# KiCad board MB1635_good_conversion.kicad_pcb (continued)
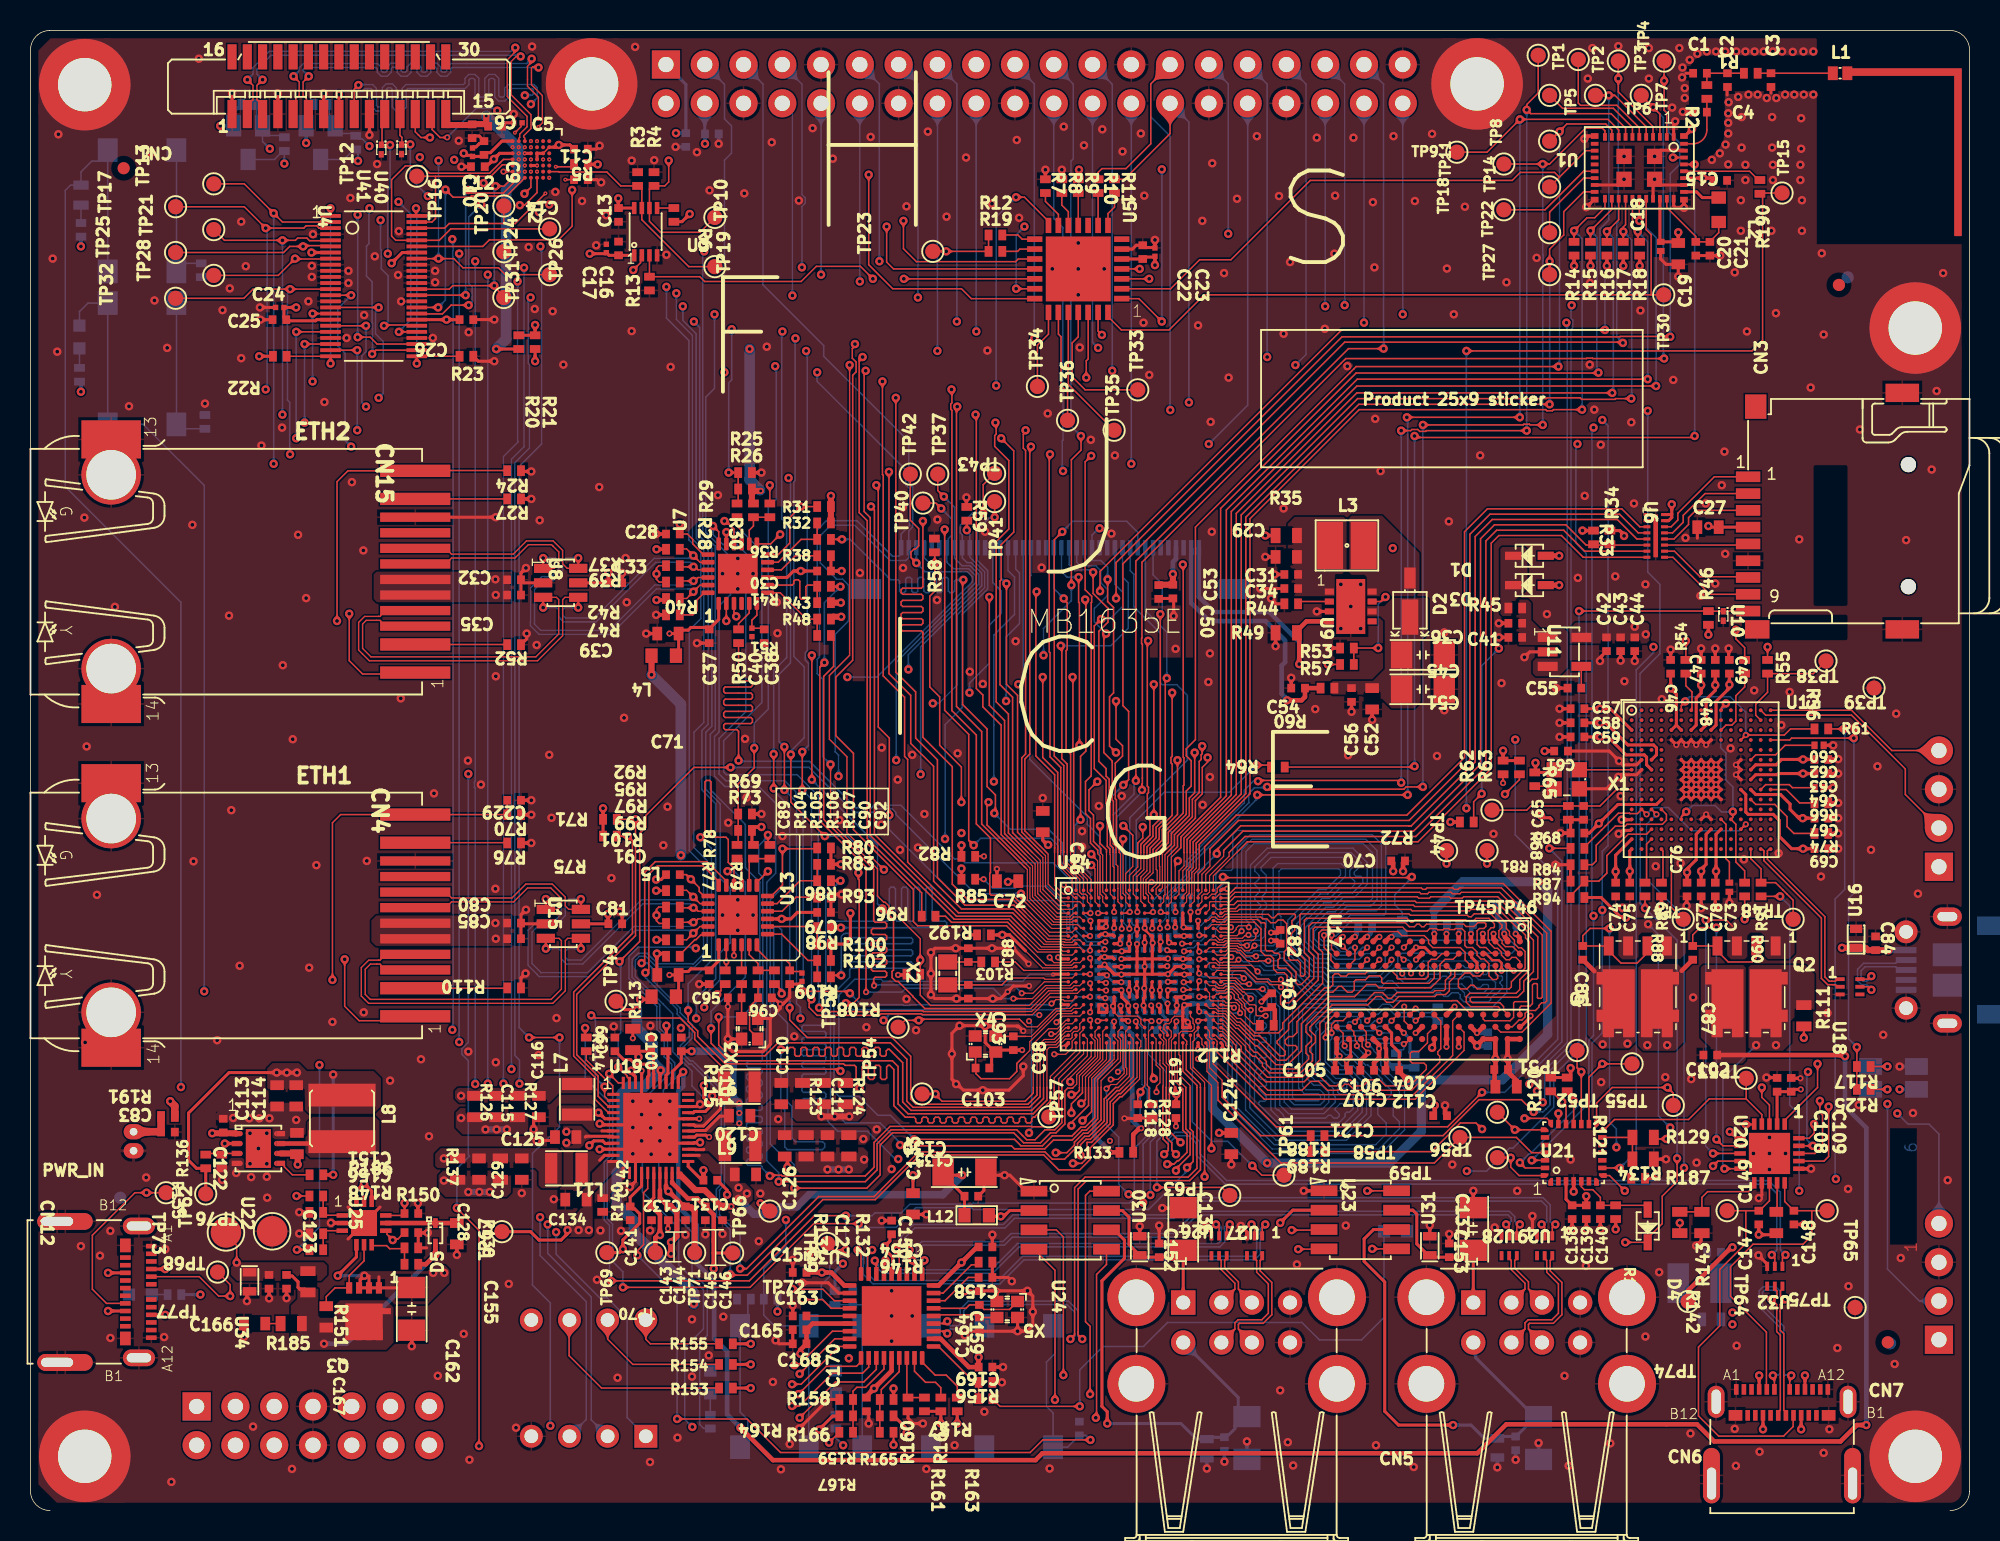
[diagram p0: board, top side]
## Routing (per net, layer and track width the routed paths; a pad name or vN(x,y) marks a point on that pad's centre or on a via; arc(x,y) is an arc through that point) (continued)
DDR_A9: length 29.5
  Top Layer w0.075: U14.G21 78,37.67 79.02,37.67 v2(79.33,37.98)
  Top Layer w0.09: 86.34,35.69 86.75,36.1 v2(86.75,36.9)
  Bottom Layer w0.09: v2(86.75,36.9) 86.42,36.9 86.15,36.63 85.81,36.63 85.4,37.04 84.52,37.04 84.09,37.47 84.09,37.96 85.08,38.95 85.57,38.95 86.21,39.6 87.78,39.6 88.2,40.01 88.2,43.26 87.46,43.99 80,43.99 79.33,43.31 v2(79.33,37.98)
DDR_A10: length 31.5
  Top Layer w0.09: v2(89.14,32.09) 89.54,32.49
  Top Layer w0.1: v2(76.55,35.2) 76.55,35.28 76.47,35.36 U14.L18
  Bottom Layer w0.09: v2(89.14,32.09) 88.79,31.74 88.29,31.74 88,31.45 85.58,31.45 85.38,31.65 84.98,31.65 84.48,31.14 84.48,29.33 85.5,28.31 86.24,28.31 86.64,27.91 86.64,26.36 86.39,26.11 86.21,26.11 86.1,26 86.1,25.82 85.71,25.43 82.08,25.43 81.25,26.26 81.25,28.48 81.15,28.58 81.15,28.73 81.25,28.83 81.25,30.12 81.03,30.34 81.03,30.41 81.25,30.62 81.25,31.13 81.1,31.28 81.1,31.37 81.25,31.52 81.25,32.73 81,32.98 81,33.47 80.77,33.7 80.68,33.7 80.22,34.16 79,34.16 78.89,34.27 78.44,34.27 77.73,34.98 76.77,34.98 v2(76.55,35.2)
DDR_A11: length 31.2
  Top Layer w0.09: v2(75.53,34.63) 75.54,34.64 75.96,34.64 U14.N17 ; 86.35,32.5 86.35,32.48 85.97,32.1 85.47,32.1 85.21,31.84 85.21,31.31 v2(85.23,31.3)
  Bottom Layer w0.09: v2(75.53,34.63) 75.98,34.17 76.87,34.17 76.95,34.25 76.95,34.55 77.05,34.65 77.53,34.65 77.63,34.55 77.63,34.05 77.7,33.98 78.68,33.98 78.85,33.8 78.85,33.55 78.93,33.48 79.23,33.48 79.65,33.9 80.06,33.9 80.27,33.69 80.27,32.47 80.17,32.37 80.17,31.93 80.25,31.85 80.25,31.4 80.17,31.32 80.17,30.32 80.26,30.23 80.26,29.79 80.17,29.71 80.17,29.18 80.33,29.02 80.33,28.92 80.17,28.76 80.17,26.5 81.82,24.85 85.95,24.85 87.22,26.12 87.22,28.15 86.48,28.89 85.74,28.89 85.1,29.53 85.1,30.78 85.23,30.91 v2(85.23,31.3)
DDR_A12: length 31.3
  Top Layer w0.075: 76.98,35.15 77.22,34.9 78.96,34.9 79.33,34.53 79.8,34.53 v2(79.83,34.5)
  Top Layer w0.1: v2(87.55,32.1) 87.95,32.5
  Bottom Layer w0.09: 80.24,34.97 79.53,35.68 78.74,35.68 78.41,35.35 78.41,34.83 78.68,34.56 79.01,34.56 79.06,34.5 v2(79.83,34.5) ; v2(87.55,32.1) 87.55,32.12 87.01,32.66 84.18,32.66 83.61,32.09 83.61,28.31 84.05,27.87 84.57,27.87 85.04,27.4 85.04,26.75 84.59,26.3 82.59,26.3 82.12,26.78 82.12,33.09 81.87,33.34 81.87,33.83 81.34,34.36 81.34,34.44 80.96,34.81 80.41,34.81 80.25,34.97
DDR_A13: length 30.7
  Top Layer w0.09: v2(84.73,37.7) 84.73,36.9 85.18,36.45 85.18,36.06 85.54,35.69
  Top Layer w0.1: U14.G19 76.92,37.7 v2(76.55,37.7)
  Bottom Layer w0.09: v2(76.55,37.7) 76.55,38.24 77.63,39.31 77.63,41.68 77.9,41.95 78.64,41.95 78.75,42.05 78.75,44.3 79.02,44.57 88.33,44.57 88.78,44.13 88.78,39.13 88.67,39.02 86.45,39.02 85.81,38.37 85.4,38.37 v2(84.73,37.7)
DDR_A14: length 30.9
  Top Layer w0.075: v2(80.9,32.43) 80.33,32.43 80.27,32.48 80.27,33.06 80.18,33.15 79.84,33.15 79.43,33.56 79.43,33.72 78.79,34.36 78.27,34.36 78.15,34.23 77.79,34.23 77.69,34.33 77.64,34.33 77.57,34.4 77.23,34.4 U14.N19
  Top Layer w0.09: v2(84.83,31) 84.83,31.9 85.42,32.5 85.55,32.5
  Bottom Layer w0.09: v2(80.9,32.43) 80.64,32.43 80.46,32.25 80.46,32.05 80.54,31.98 80.83,31.98 80.96,31.85 80.96,31.7 80.46,31.2 80.46,31.09 80.55,31 80.85,31 80.96,30.9 80.96,30.79 80.85,30.68 80.58,30.68 80.46,30.56 80.46,30.44 80.96,29.95 80.96,29.76 80.88,29.68 80.55,29.68 80.46,29.59 80.46,29.41 80.55,29.33 80.88,29.33 80.96,29.25 80.96,29 80.46,28.5 80.46,28.36 80.58,28.25 80.88,28.25 80.96,28.17 80.96,27.88 80.88,27.8 80.54,27.8 80.46,27.73 80.46,27.59 80.95,27.1 80.95,26.93 80.85,26.83 80.53,26.83 80.46,26.76 80.46,26.63 81.95,25.14 85.83,25.14 86.93,26.24 86.93,28.03 86.36,28.6 85.62,28.6 84.81,29.41 84.81,30.99 v2(84.83,31)
DDR_A15: length 29.8
  Top Layer w0.075: U14.M21 78,35.13 79.22,35.13 v2(79.48,34.88)
  Top Layer w0.09: v2(88.35,32.1) 88.75,32.5
  Bottom Layer w0.09: v2(88.35,32.1) 88.05,32.1 87.69,31.74 87.26,31.74 87.13,31.88 87.13,32.14 86.89,32.37 84.3,32.37 83.9,31.97 83.9,28.43 84.17,28.16 84.83,28.16 85.33,27.66 85.33,27.26 85.46,27.13 85.46,26.76 84.71,26.01 82.4,26.01 81.83,26.58 81.83,32.97 81.58,33.22 81.58,33.71 81.05,34.24 81.05,34.32 80.84,34.52 80.29,34.52 79.44,35.38 78.85,35.38 78.7,35.23 78.7,34.95 78.78,34.88 v2(79.48,34.88)
DDR_BA0: length 30.8
  Top Layer w0.075: v2(80.18,37.03) 80.16,37.03 79.82,36.68 79.53,36.68 79.32,36.89 79.16,36.89 79.06,36.99 78.39,36.99 78.29,36.9 78.29,36.9 77.22,36.9 76.97,36.65
  Top Layer w0.09: 88.74,36.49 89.14,36.89
  Bottom Layer w0.09: v2(80.18,37.03) 81.09,37.03 81.11,37.01 81.39,37.01 81.6,37.21 81.6,38.02 81.39,38.23 81.39,42.1 81.69,42.4 85.85,42.4 86.13,42.13 86.13,41.56 84.97,40.4 84.47,40.4 82.64,38.57 82.64,37.01 84.06,35.59 84.8,35.59 85.14,35.24 88.12,35.24 88.73,35.86 88.73,36.48 v2(89.15,36.9)
DDR_BA1: length 30.3
  Top Layer w0.075: U14.P20 77.63,34.15 77.72,34.07 78.22,34.07 78.32,34.17 78.72,34.17 79.11,33.78 79.11,33.63 79.51,33.23 79.51,33.05 79.76,32.8 v2(79.93,32.8)
  Top Layer w0.09: 87.95,31.7 v2(88.35,31.3)
  Bottom Layer w0.09: v2(79.93,32.8) 79.93,32.55 79.87,32.5 79.87,26.39 81.7,24.56 86.07,24.56 87.51,26 87.51,28.27 86.62,29.16 85.88,29.16 85.41,29.63 85.41,30.68 85.81,31.09 87.25,31.09 87.32,31.16 87.86,31.16 88.11,30.91 89.04,30.91 89.13,31 89.13,31.18 89,31.3 v2(88.35,31.3)
DDR_BA2: length 31.6
  Top Layer w0.09: U14.H18 76.47,36.78 76.55,36.71 v2(76.55,36.63) ; 88.74,35.69 89.12,36.07
  Bottom Layer w0.09: v2(89.15,36.1) 89.15,35.81 88.29,34.95 85.03,34.95 84.68,35.3 83.96,35.3 82.35,36.91 82.35,38.69 84.35,40.69 84.85,40.69 85.8,41.65 85.8,41.95 85.7,42.05 81.93,42.05 81.78,41.9 81.78,39.05 81.9,38.92 81.9,37.11 81.48,36.68 80.14,36.68 80.01,36.55 79.65,36.55 79.31,36.89 79.31,37.16 78.99,37.49 78.65,37.49 77.79,36.63 v2(76.55,36.63)
DDR_CASN: length 30.4
  Top Layer w0.075: v2(80.38,35.33) 79.97,35.73 77.79,35.73 77.63,35.9 77.22,35.9 77.15,35.83 ; U14.L19 77.15,35.83
  Top Layer w0.09: v2(90.42,35.2) 90.39,35.24 90.39,35.66 90.35,35.7
  Bottom Layer w0.09: v2(80.38,35.33) 80.39,35.33 80.61,35.1 81.54,35.1 81.58,35.15 82.23,35.15 83.88,33.5 89.19,33.5 89.29,33.4 93.41,33.4 93.84,32.97 95.74,32.97 96.7,33.93 96.7,35.51 96.2,36.01 91.23,36.01 v2(90.42,35.2)
DDR_CKE: length 31.8
  Top Layer w0.075: 77.47,34.65 77.63,34.65 77.87,34.4 78.08,34.4 78.21,34.54 78.84,34.54 79.4,33.99 79.49,33.99 v2(79.93,33.55)
  Top Layer w0.09: 90.35,30.9 90.03,30.58 v2(89.95,30.58)
  Bottom Layer w0.09: 89.42,29.97 89.5,29.97 89.71,30.18 89.91,30.18 89.95,30.23 v2(89.95,30.58) 89.91,30.62 87.99,30.62 87.74,30.87 87.45,30.87 87.37,30.8 85.93,30.8 85.71,30.57 85.71,30.31 85.91,30.1 85.91,30.1 86.14,29.87 86.32,29.87 87.8,28.39 87.8,25.88 86.19,24.27 84.3,24.27 84.3,24.27 81.58,24.27 79.58,26.27 79.58,33.18 79.93,33.53 v2(79.93,33.55)
DDR_CLK_N: length 32.9
  Top Layer w0.075: 77.5,35.64 77.53,35.64 77.6,35.57 79.61,35.57 80.34,34.84 81.09,34.84 81.27,34.66 81.76,34.66 v2(81.9,34.8)
  Top Layer w0.09: v2(90.73,32.9) 90.35,32.52 90.35,32.5
  Bottom Layer w0.09: R177.2 92.08,32.98 91.73,32.63 91,32.63 v2(90.73,32.9) 90.45,32.63 89.58,32.63 89.03,33.18 88.55,33.18 88.15,32.78 87.93,32.78 87.49,33.21 83.36,33.21 ; 83.36,33.22 83.36,33.22 83.06,32.92 83.06,27.69 83.44,27.32 84.35,27.32 84.49,27.17 84.49,26.98 84.36,26.85 82.88,26.85 82.67,27.07 82.67,34.34 82.34,34.66 82.11,34.66 81.97,34.8 v2(81.9,34.8)
DDR_CLK_P: length 33
  Top Layer w0.075: U14.M20 77.72,35.4 78.12,35.4 78.14,35.37 79.53,35.37 80.25,34.65 81.01,34.65 81.19,34.46 81.74,34.46 v2(81.9,34.3)
  Top Layer w0.09: v2(90.73,32.1) 90.75,32.1 91.15,32.5
  Bottom Layer w0.09: v2(90.73,32.1) 90.75,32.1 ; v2(90.73,32.1) 90.46,32.37 89.48,32.37 88.93,32.92 88.66,32.92 88.26,32.52 87.82,32.52 87.39,32.95 83.45,32.95 83.32,32.82 83.32,27.8 83.54,27.58 84.45,27.58 84.75,27.28 84.75,26.87 84.47,26.59 82.78,26.59 82.41,26.96 82.41,34.23 82.23,34.4 82.08,34.4 81.98,34.3 v2(81.9,34.3) ; v2(90.73,32.1) 90.75,32.1 ; 90.75,32.1 91.02,32.37 91.73,32.37 92.02,32.08 R177.1
DDR_CSN: length 30.3
  Top Layer w0.075: v2(81.08,36.03) 80.46,36.03 80.41,35.98 79.86,35.98 79.82,36.02 79.71,36.02 ; 77.47,36.65 77.72,36.4 78.27,36.4 78.53,36.65 78.92,36.65 79.02,36.55 79.18,36.55 79.71,36.03
  Top Layer w0.09: 89.54,36.49 v2(89.94,36.09)
  Bottom Layer w0.09: v2(89.94,36.09) 90.26,36.09 90.4,35.95 90.4,35.7 90.24,35.54 89.7,35.54 89.5,35.34 89.5,35.03 89.96,34.56 91.43,34.56 91.71,34.85 92.32,34.85 92.48,35.01 92.73,35.01 92.89,34.85 93.81,34.85 93.94,34.98 94.25,34.98 94.43,34.8 94.43,34.4 94.55,34.28 94.95,34.28 95.15,34.48 95.43,34.48 95.5,34.4 95.5,34.24 95.18,33.92 94.33,33.92 93.75,34.51 91.85,34.51 91.62,34.27 89.65,34.27 89.2,34.73 88.89,34.73 88.53,34.37 84.79,34.37 84.65,34.5 84.38,34.5 84.24,34.37 84.13,34.37 82.47,36.03 82.28,36.03 82.1,36.2 81.82,36.2 81.65,36.03 v2(81.08,36.03)
DDR_DQ0: length 30.9
  Top Layer w0.09: 77.97,40.15 78.52,40.15 78.89,40.51 90.98,40.51 91.07,40.42 91.5,40.42 91.6,40.51 93.04,40.51 93.14,40.42 93.63,40.42 93.72,40.51 96.22,40.51 99.01,37.72 99.01,33.64 98.94,33.56 98.75,33.56 98.7,33.62 98.7,34.48 98.65,34.54 98.47,34.54 98.37,34.45 98.37,33.22 98.22,33.06 97.63,33.06 97.54,32.96 97.54,32.5 97.54,32.49
DDR_DQ1: length 31.4
  Top Layer w0.075: U14.B20 77.49,40.16 77.64,40.16 77.88,40.4 78.51,40.4
  Top Layer w0.09: 96.75,31.7 97.05,31.7 97.49,32.14 97.69,32.14 97.89,32.35 97.89,32.58 98.08,32.77 98.57,32.77 98.8,33 98.8,33.1 98.97,33.27 99.19,33.27 99.3,33.39 99.3,37.84 96.34,40.8 93.6,40.8 93.5,40.71 93.26,40.71 93.16,40.8 91.47,40.8 91.38,40.71 91.19,40.71 91.1,40.8 78.92,40.8 78.51,40.4
DDR_DQ2: length 32.7
  Top Layer w0.075: 78.56,39.9 77.27,39.9 77.22,39.86 77.22,39.4 76.97,39.15
  Top Layer w0.09: 78.56,39.9 78.88,40.22 90.83,40.22 90.92,40.13 91.63,40.13 91.72,40.22 92.92,40.22 93.02,40.13 93.78,40.13 93.87,40.22 96.1,40.22 98.72,37.6 98.72,34.9 98.65,34.83 98.35,34.83 98.08,34.57 98.08,33.4 98.03,33.35 97.22,33.35 97.14,33.27 97.14,32.32 96.92,32.1 95.25,32.1 95.15,32.2 U17.D7
DDR_DQ3: length 32.6
  Top Layer w0.075: 80.58,38.9 78.31,38.9 78.15,38.73 77.76,38.73 77.6,38.9 77.37,38.9 77.23,38.75 77.23,38.75 77.15,38.67 77,38.67
  Top Layer w0.09: 97.55,35.7 97.55,35.99 97.29,36.25 97.02,36.25 96.87,36.1 96.65,36.1 96.34,36.4 96.34,36.59 96.09,36.84 95.9,36.84 95.53,37.22 95.53,37.4 95.48,37.45 95.48,38 95.68,38.19 95.83,38.19 95.88,38.25 95.88,38.45 95.52,38.81 94.68,38.81 94.49,38.62 94.09,38.62 93.99,38.72 90.69,38.72 90.52,38.55 90.43,38.55 90.17,38.81 83.57,38.81 83.43,38.68 83.43,36.55 83.76,36.22 83.76,35 83.22,34.47 83.02,34.47 82.89,34.6 82.89,35.3 82.12,36.07 82.12,36.62 82.28,36.78 82.28,38.46 82.04,38.7 81.72,38.7 81.54,38.53 81.23,38.53 80.98,38.78 80.7,38.78 80.58,38.9
DDR_DQ4: length 33.7
  Top Layer w0.075: 77.72,40.77 77.72,40.53 77.59,40.4 77.37,40.4 77.14,40.16 76.99,40.16 U14.B19
  Top Layer w0.09: U17.C8 96.3,31.35 97.69,31.35 99.59,33.25 99.59,37.96 96.46,41.09 79.4,41.09 79.4,41.1 78.05,41.1 77.72,40.77
DDR_DQ5: length 32
  Top Layer w0.075: 77.48,39.13 77.64,39.13 77.87,38.9 78.08,38.9 78.25,39.08 80.5,39.08 81.08,39.08
  Top Layer w0.09: 81.08,39.08 81.3,38.85 81.45,38.85 81.7,39.1 82.78,39.1 82.85,39.03 82.85,38.88 82.62,38.64 82.62,38.43 82.8,38.25 82.8,38.03 82.57,37.79 82.57,36.91 82.85,36.63 82.85,36.5 82.8,36.45 82.47,36.45 82.41,36.38 82.41,36.19 82.53,36.07 83,36.07 83.18,35.9 83.18,35.08 83.23,35.03 83.37,35.03 83.47,35.12 83.47,36.1 83.14,36.43 83.14,39.04 83.2,39.1 90.29,39.1 90.38,39.01 94.11,39.01 94.21,38.91 94.37,38.91 94.56,39.1 95.64,39.1 96.38,38.36 96.38,38.2 96.17,38 96.17,37.56 96.39,37.35 96.39,37.17 96.6,36.95 97.08,36.95 97.54,36.49
DDR_DQ6: length 32
  Top Layer w0.075: 80.36,38.72 80.36,38.73 78.38,38.73 78.22,38.57 77.87,38.57 77.69,38.57 77.64,38.62 77.49,38.62
  Top Layer w0.09: U17.C2 95.91,36.54 95.68,36.54 95.33,36.9 95.2,36.9 94.95,36.9 94.75,37.1 94.75,37.99 94.9,38.14 95.19,38.14 95.32,38.27 95.32,38.45 95.25,38.52 94.8,38.52 94.55,38.27 94.03,38.27 93.87,38.43 91.44,38.43 91.27,38.26 91.13,38.26 90.96,38.43 90.81,38.43 90.64,38.26 90.31,38.26 90.05,38.52 83.96,38.52 83.72,38.29 83.72,36.67 84.05,36.34 84.05,34.88 82.44,33.28 82.22,33.28 82.17,33.33 82.17,33.59 82.72,34.15 82.72,34.35 82.6,34.48 82.6,35.18 82.24,35.54 81.79,35.54 81.71,35.62 81.71,36.09 81.83,36.2 81.83,36.43 81.73,36.52 81.48,36.52 81.33,36.68 80.98,36.68 80.89,36.77 80.89,38.46 80.83,38.52 80.58,38.52 80.38,38.72
DDR_DQ7: length 32.8
  Top Layer w0.075: 80.15,38.55 80.15,38.56 80.14,38.56 80.14,38.56 78.49,38.56 78.32,38.4 77.37,38.4 77.14,38.16 76.99,38.16
  Top Layer w0.09: 80.15,38.55 80.16,38.55 80.6,38.12 80.6,36.64 80.86,36.38 81.21,36.38 81.42,36.17 81.42,35.48 81.65,35.25 82.11,35.25 82.31,35.06 82.31,34.15 81.88,33.72 81.88,33.2 82.09,32.99 82.56,32.99 84.34,34.76 84.34,36.46 84.01,36.79 84.01,38.11 84.14,38.24 89.88,38.24 ; 89.9,38.21 90.14,37.97 91.48,37.97 91.65,38.14 92.09,38.14 92.17,38.06 92.52,38.06 92.6,38.14 92.89,38.14 92.95,38.07 93.27,38.07 93.33,38.14 93.75,38.14 93.95,37.94 93.95,37.03 94.08,36.9 94.45,36.9 94.74,36.61 94.74,36.4 95,36.14 95.22,36.14 95.52,35.84 95.52,35.05 95.77,34.8 96,34.8 96.1,34.9 96.1,35.08 95.95,35.23 95.95,35.7
DDR_DQ8: length 24.3
  Top Layer w0.075: 77.48,33.13 77.63,33.13 77.87,32.9 78.37,32.9 79.03,32.24 79.26,32.24
  Top Layer w0.09: 79.26,32.24 80.2,31.3 81.74,31.3 82.03,31.59 82.03,31.95 84.63,34.55 84.63,36.58 84.38,36.83 84.38,37.84 84.58,38.05 85.43,38.05 85.53,37.94 89.56,37.94 89.83,37.68 91.29,37.68 91.57,37.4 91.57,37.17 91.85,36.89 93.65,36.89 93.96,36.58 93.96,36.09 94.34,35.71
DDR_DQ9: length 22.2
  Top Layer w0.075: 79.15,31.8 79,31.8 78.23,32.57 77.72,32.57 77.64,32.64 77.47,32.64
  Top Layer w0.09: 91.94,35.69 91.94,34.9 91.6,34.55 88.58,34.55 88.5,34.63 88.5,34.91 88.37,35.04 87.69,35.04 87.44,34.79 86.81,34.79 86.7,34.68 86.7,34.12 86.55,33.97 86.26,33.97 85.88,34.35 85.68,34.35 85.29,33.97 84.88,33.97 82.95,32.04 82.95,31.33 82.69,31.06 82.41,31.06 82.18,30.83 82.18,30.63 82.33,30.48 82.85,30.48 82.95,30.38 82.95,30.24 82.22,29.51 81.69,29.51 80.34,30.86 80.09,30.86 79.15,31.8
DDR_DQ10: length 22.9
  Top Layer w0.075: 79.22,32 79.04,32 78.3,32.73 77.79,32.73 77.63,32.9 77.23,32.9 U14.T19
  Top Layer w0.09: 92.74,36.49 92.44,36.49 92.08,36.13 91.75,36.13 91.55,35.92 91.55,35 91.39,34.84 89.56,34.84 89.5,34.9 89.5,35.03 89.19,35.34 87.58,35.34 87.42,35.18 86.33,35.18 86.18,35.03 85.83,35.03 85.67,35.18 85.44,35.18 85.3,35.04 85.3,34.45 85.11,34.26 84.76,34.26 82.4,31.9 82.4,31.51 81.65,30.76 81.65,30.63 82.18,30.1 82.18,29.88 82.1,29.8 81.83,29.8 80.52,31.11 80.12,31.11 79.23,32
DDR_DQ11: length 21.9
  Top Layer w0.075: 77.48,31.63 77.63,31.63 77.87,31.4 78.08,31.4 78.75,30.73
  Top Layer w0.09: 78.75,30.73 78.75,30.68 78.95,30.48 78.95,30.05 80.9,28.1 83.42,28.1 83.93,28.61 84.3,28.61 85.08,27.83 85.55,27.83 85.95,28.23 86.45,28.23 86.85,27.83 87.28,27.83 87.68,28.23 88.35,28.23 88.75,27.83 90.34,27.83 91.43,28.92 91.43,29.17 91.27,29.33 90.5,29.33 90.38,29.45 90.38,29.97 90.48,30.08 90.93,30.08 91.5,30.65 91.5,31.25 U17.H8 91.93,31.7
DDR_DQ12: length 22.5
  Top Layer w0.075: 77.71,30.06 77.71,30.53 77.72,30.55 77.72,30.75 77.57,30.9 77.35,30.9 77.23,31.03 77.23,31.4 U14.W19
  Top Layer w0.09: 77.71,30.06 80.04,27.73 80.81,26.96 90.7,26.96 93.89,30.16 93.89,31.34 93.54,31.69
DDR_DQ13: length 22.8
  Top Layer w0.075: 79.08,31.6 78.95,31.6 78.15,32.4 77.23,32.4 U14.U19
  Top Layer w0.09: 93.54,36.49 93.18,36.13 92.65,36.13 92.32,35.79 92.32,34.86 91.72,34.26 88.32,34.26 88.1,34.48 87.52,34.48 86.73,33.68 85.02,33.68 83.24,31.9 83.24,30.12 82.34,29.22 81.57,29.22 80.33,30.46 80.22,30.46 79.08,31.6
DDR_DQ14: length 21.2
  Top Layer w0.075: 78.68,30.38 78.48,30.58 78.48,30.75 78.1,31.12 77.99,31.12
  Top Layer w0.09: 91.94,32.49 92.37,32.07 92.37,30.26 92.18,30.07 92.18,29.9 92.3,29.78 92.3,29.38 90.46,27.54 86.73,27.54 86.33,27.94 86.07,27.94 85.67,27.54 84.95,27.54 84.37,28.13 83.86,28.13 83.27,27.54 81.05,27.54 78.68,29.91 78.68,30.38
DDR_DQ15: length 21.7
  Top Layer w0.075: 78.4,30.38 78.29,30.49 78.29,30.69 78.07,30.9 77.87,30.9 77.63,31.15 U14.Y20
  Top Layer w0.09: 78.41,30.37 78.41,30.08 78.4,30.07 78.4,29.78 80.93,27.25 90.58,27.25 93.15,29.82 93.15,32.1 93.55,32.5
DDR_DQM0: length 31.1
  Top Layer w0.075: 79.17,39.39 79.05,39.27 78.2,39.27 78.07,39.14 77.96,39.14
  Top Layer w0.09: 79.17,39.39 90.41,39.39 90.5,39.3 94.25,39.3 94.35,39.39 95.76,39.39 96.67,38.48 96.67,38.14 96.87,37.94 96.87,37.7 97.19,37.37 97.19,37.15 97.46,36.88 97.65,36.88 97.89,36.64 97.89,35.55 97,34.65 97,34.32 96.86,34.18 94.77,34.18 94.53,34.43 94.33,34.43 94.08,34.18 93.67,34.18 93.53,34.33 93.53,34.8 93.95,35.23 94.3,35.23 94.5,35.03 94.93,35.03 95.14,35.24 95.14,35.69
DDR_DQM1: length 21.7
  Top Layer w0.075: 79.29,30.43 78.16,31.57 78.1,31.57 78.02,31.65 78.01,31.65
  Top Layer w0.09: 79.29,30.43 79.29,30.11 81.02,28.39 83.3,28.39 84.45,29.54 84.45,31.94 85.36,32.85 89.17,32.85 89.73,33.4 93.1,33.4 93.11,33.42 93.44,33.42 94.35,32.51 94.35,32.5
DDR_DQS0_N: length 32.3
  Top Layer w0.09: U17.B7 96.75,32.52 96.48,32.79 96.48,33.03 96.23,33.28 94.43,33.28 94.3,33.42 94.3,33.56 94.38,33.64 97.41,33.64 97.8,34.04 97.8,34.69 98.44,35.32 98.44,37.37 98.18,37.63 98.18,37.81 97.54,38.45 97.47,38.45 95.98,39.94 94.04,39.94 93.95,39.84 90.78,39.84 90.68,39.94 79.05,39.94 78.81,39.71 78.03,39.71 U14.C21
DDR_DQS0_P: length 32.4
  Top Layer w0.075: 78.14,39.45 78.09,39.4 77.75,39.4 77.5,39.65
  Top Layer w0.09: U14.C20 77.5,39.65 ; 78.14,39.45 78.92,39.45 79.15,39.68 90.57,39.68 90.67,39.58 94.06,39.58 94.15,39.68 95.88,39.68 97.37,38.19 97.44,38.19 97.92,37.71 97.92,37.53 98.18,37.27 98.18,35.43 97.54,34.8 97.54,34.15 97.3,33.9 94.27,33.9 94.04,33.67 94.04,33.31 94.32,33.02 96.12,33.02 96.22,32.92 96.22,32.8 95.95,32.52 95.95,32.5
DDR_DQS1_N: length 22.3
  Top Layer w0.075: 77.96,32.16 U14.V21 78,32.12 78.15,32.12 79.84,30.43
  Top Layer w0.09: U17.G3 93.02,35.43 93.02,35.1 92.67,34.75 92.67,34.18 92.58,34.08 92,34.08 91.87,33.94 89.51,33.94 89.13,33.57 88.94,33.57 88.56,33.94 88.03,33.94 87.48,33.39 85.14,33.39 83.54,31.79 83.54,31.35 83.9,30.99 83.9,30.79 83.54,30.43 83.54,29.97 83.72,29.79 83.72,29.58 83.08,28.94 81.24,28.94 80.95,29.23 80.95,29.43 80.35,30.03 80.15,30.03 79.84,30.34 79.84,30.43
DDR_DQS1_P: length 23.4
  Top Layer w0.075: 79.58,30.41 78.09,31.9 77.73,31.9 U14.V20
  Top Layer w0.09: 93.55,35.7 93.28,35.43 93.28,34.99 92.94,34.64 92.94,34.07 92.68,33.82 92.11,33.82 91.98,33.68 89.61,33.68 89.24,33.31 88.83,33.31 88.45,33.68 88.14,33.68 87.58,33.13 85.25,33.13 83.8,31.68 83.8,31.46 84.16,31.1 84.16,30.69 83.8,30.33 83.8,30.08 83.97,29.9 83.97,29.47 83.18,28.68 81.14,28.68 80.69,29.13 80.69,29.32 80.24,29.77 80.05,29.77 79.58,30.23 79.58,30.41
DDR_ODT: length 30.1
  Top Layer w0.075: 80.27,36.35 79.63,36.35 79.25,36.72 79.09,36.72 78.99,36.82 78.46,36.82 78.28,36.65 U14.J21
  Top Layer w0.09: 90.34,37.29 v2(89.95,36.9) 89.94,36.89
  Bottom Layer w0.09: v2(89.95,36.9) 90.43,37.38 96.9,37.38 97.2,37.08 97.2,36.7 97.03,36.53 89.81,36.53 89.56,36.28 89.56,35.81 88.41,34.66 84.91,34.66 84.57,35 83.89,35 82.49,36.39 82.33,36.39 82.09,36.63 81.84,36.63 81.6,36.39 80.48,36.39 80.47,36.38 80.33,36.38 v2(80.27,36.33)
DDR_RASN: length 30.7
  Top Layer w0.075: v2(79.13,36.1) 79.09,36.1 78.93,35.94 78.12,35.94 78.08,35.91 78.08,35.91 78.08,35.9 77.87,35.9 77.87,35.91 77.86,35.91 77.63,36.13 77.48,36.13 77.47,36.15
  Top Layer w0.09: 91.14,35.19 91.14,35.69
  Bottom Layer w0.09: v2(79.13,36.1) 79.18,36.04 79.34,36.04 79.41,35.97 79.73,35.97 80.01,35.69 80.51,35.69 80.81,35.39 81.42,35.39 81.46,35.44 82.31,35.44 83.96,33.79 89.31,33.79 89.41,33.69 91.86,33.69 92.09,33.93 92.35,33.93 92.58,33.69 92.85,33.69 93.08,33.93 93.5,33.93 93.64,33.79 93.64,33.59 93.89,33.34 95.5,33.34 95.63,33.47 95.63,33.56 95.93,33.86 96.02,33.86 96.41,34.25 96.41,34.39 96.25,34.55 96.25,34.63 96.41,34.79 96.41,34.97 96.35,35.03 96.07,35.03 96,35.1 96,35.65 95.93,35.72 95.54,35.72 95.46,35.64 95.46,35.24 95.35,35.13 95.15,35.13 95.09,35.18 95.09,35.66 95.04,35.72 94.37,35.72 94.23,35.58 93.97,35.58 93.82,35.72 93.44,35.72 93.35,35.64 93.35,35.48 93.3,35.43 93.13,35.43 92.84,35.72 92.22,35.72 92.15,35.64 92.15,35.5 92.08,35.43 91.82,35.43 91.53,35.72 91.36,35.72 91.12,35.49 v2(91.12,35.2)
DDR_RESETN: length 29
  Top Layer w0.09: v2(85.23,37.7) 85.21,37.69 85.21,36.83 85.54,36.49 ; v2(75.43,37.15) U14.H17 ; v1(78.1,41.53) 78.15,41.48 90.47,41.48 v1(90.47,41.53)
  Bottom Layer w0.09: v1(78.1,41.53) 78.1,41.01 77.92,40.83 77.92,39.08 76.9,38.06 76.9,37.56 76.67,37.33 76.19,37.33 76.01,37.15 v2(75.43,37.15)
  Bottom Layer w0.1: 90.47,41.48 89.36,40.36 89.36,39.69 89.85,39.2 89.85,38.72 86.57,38.72 85.5,37.65 85.18,37.65 85.23,37.69 v2(85.23,37.7)
DDR_WEN: length 30.9
  Top Layer w0.09: 89.55,35.7 89.55,35.69 89.8,35.44 89.8,35.24 v2(89.84,35.19) ; 76.97,36.15 76.56,36.15
  Top Layer w0.1: v2(76.55,36.13) 76.57,36.15 ; 76.97,36.15 U14.K19
  Bottom Layer w0.09: v2(76.55,36.13) 76.95,36.13 77.2,35.88 77.2,35.6 77.38,35.43 77.72,35.43 77.88,35.58 77.88,35.99 78.54,36.65 79.14,36.65 79.53,36.26 79.85,36.26 80.13,35.98 80.63,35.98 80.93,35.68 81.3,35.68 81.34,35.73 82.4,35.73 84.04,34.08 88.65,34.08 88.8,34.23 89.29,34.23 89.53,33.98 91.74,33.98 91.97,34.22 93.62,34.22 93.93,33.91 93.93,33.71 94.01,33.63 95.3,33.63 95.96,34.29 95.96,34.6 95.77,34.79 94.85,34.79 94.37,35.27 93.82,35.27 93.69,35.14 93.01,35.14 92.83,35.33 92.39,35.33 92.2,35.14 91.59,35.14 91.3,34.85 90.12,34.85 89.84,35.13 v2(89.84,35.19)
DFSDM1_CKOUT: length 138.6
  Top Layer w0.075: 69.1,27.73 69.1,28.42 70.23,29.55 70.23,31.4 U14.W6
  Top Layer w0.1: 69.1,27.73 69.1,26.93 68.85,26.68 v1(68.83,26.68)
  Signal Layer 2 w0.09: v1(32.75,79.5) 32.9,79.36 49.58,79.36 49.73,79.21 50.08,79.21 50.37,79.5 v1(58.13,79.5)
  Signal Layer 2 w0.1: v1(68.83,26.68) 66.33,26.68 66.15,26.5 63.83,26.5 63.28,25.96 54.9,25.96 53.67,24.73 46.04,24.73 44.28,26.48 44.28,26.8 44.03,27.05 43.53,27.05 42.38,28.2 36.98,28.2 36.76,27.98 v1(32.02,27.98)
  Bottom Layer w0.09: v1(32.75,79.5) 32.68,79.5 32.6,79.43 32.6,75.18 32.68,75.11 32.68,69.63 32.02,68.98 ; CN8.13 58.13,93.51 v1(58.13,79.5)
  Bottom Layer w0.1: 32.02,68.98 31.72,68.68 31.72,29.83 32.02,29.53 v1(32.02,27.98)
DFSDM1_DATIN3: length 110.5
  Top Layer w0.1: 69.45,32.1 69.46,32.09 69.46,31.66 U14.W4
  Signal Layer 2 w0.09: 65.17,31.05 66,31.05 66.58,31.63 67.7,31.63 68.23,32.15 v2(69.4,32.15)
  Signal Layer 2 w0.1: 65.17,31.05 58.3,31.05 57.05,29.8 45.7,29.8 44.13,31.38 v1(44.13,32.98) ; v1(43.45,77.93) v1(60.68,77.93)
  Bottom Layer w0.1: CN8.15 60.68,93.5 v1(60.68,77.93) ; v1(44.13,32.98) 44.13,33.75 45.15,34.78 45.15,36.53 45.83,37.2 45.83,40.78 45.17,41.43 45.17,46.32 44.23,47.27 44.23,51 44.62,51.4 44.62,63.05 43.83,63.85 43.83,77.55 v1(43.45,77.93)
ETH1_CLK: length 64.9
  Top Layer w0.075: 67.92,31.15 67.92,31.13 67.88,31.09 67.74,31.09 67.17,30.53 66.58,30.53 66.35,30.3 66.35,27.73
  Top Layer w0.1: 66.35,27.73 66.35,27 65.58,26.23 57.67,26.23 57.12,26.78 57.12,29.35 56.25,30.23 56.15,30.23 56.05,30.13 56.05,29.88 55.95,29.78 55.75,29.78 55.65,29.88 55.65,30.25 55.55,30.35 55.35,30.35 55.25,30.25 55.25,29.88 55.15,29.78 54.95,29.78 54.85,29.88 54.85,30.25 54.75,30.35 54.55,30.35 54.45,30.25 54.45,29.88 54.35,29.78 54.15,29.78 54.05,29.88 54.05,30.25 53.95,30.35 53.75,30.35 53.65,30.25 53.65,29.88 53.55,29.78 53.35,29.78 53.25,29.88 53.25,30.25 53.15,30.35 52.95,30.35 52.85,30.25 52.85,29.88 52.75,29.78 52.55,29.78 52.45,29.88 52.45,30.25 52.35,30.35 52.15,30.35 52.05,30.25 52.05,29.88 51.95,29.78 51.75,29.78 51.65,29.88 51.65,30.25 51.55,30.35 51.35,30.35 51.25,30.25 51.25,29.88 51.15,29.78 50.95,29.78 50.85,29.88 50.85,30.25 50.75,30.35 50.55,30.35 50.45,30.25 50.45,29.88 50.35,29.78 50.15,29.78 50.05,29.88 50.05,30.25 49.95,30.35 49.75,30.35 49.63,30.23 v1(49.15,30.23) ; R107.1 48.77,34.5 49.2,34.08 v1(49.2,33.88)
  Bottom Layer w0.1: v1(49.2,33.88) 49.2,38.05 49,38.25 48.73,38.25 48.67,38.19 48.67,32.85 49.58,31.95 49.58,26.78 49.87,26.48 49.87,24.4 50.1,24.18 51.87,24.18 52.03,24.03 52.03,23.83 51.85,23.65 49.58,23.65 49.4,23.83 49.4,26.25 49.15,26.5 v1(49.15,30.23)
ETH1_CRS_DV: length 64.9
  Top Layer w0.075: U14.Y9 72.23,30.9 72.23,28.42 71.53,27.73
  Top Layer w0.1: v1(68.77,23.28) 68.77,23.97 69.13,24.33 69.41,24.33 70.52,25.44 70.52,26.87 71.17,27.52 71.32,27.52 71.53,27.73 ; R86.1 v1(53.05,41.28)
  Signal Layer 2 w0.219: v1(56.84,23.04) 56.85,23.05 66.59,23.05 66.78,22.86 67.24,22.86 67.44,23.05 67.65,23.05 68.05,23.45 68.51,23.45 68.69,23.28 v1(68.77,23.28)
  Bottom Layer w0.1: v1(56.84,23.04) 56.75,23.12 56.55,23.12 54.83,24.85 52.88,24.85 52.22,25.5 52.22,26.28 52.1,26.4 52.1,26.5 52,26.6 50.62,26.6 50.52,26.7 50.52,26.9 50.62,27 52,27 52.1,27.1 52.1,27.3 52,27.4 50.62,27.4 50.52,27.5 50.52,27.7 50.62,27.8 52,27.8 52.1,27.9 52.1,28.1 52,28.2 50.62,28.2 50.52,28.3 50.52,28.5 50.62,28.6 52,28.6 52.1,28.7 52.1,28.9 52,29 50.62,29 50.52,29.1 50.52,29.3 50.62,29.4 52,29.4 52.1,29.5 52.1,29.7 52,29.8 50.62,29.8 50.52,29.9 50.52,30.1 50.62,30.2 52,30.2 52.1,30.3 52.1,30.5 52,30.6 50.62,30.6 50.52,30.7 50.52,30.9 50.62,31 52,31 52.1,31.1 52.1,31.3 52,31.4 50.62,31.4 50.52,31.5 50.52,31.7 50.62,31.8 52,31.8 52.1,31.9 52.1,40.33 v1(53.05,41.28)
